# Altium PCB CSUEAF4.PcbDoc (part 1 of 2) (continued)
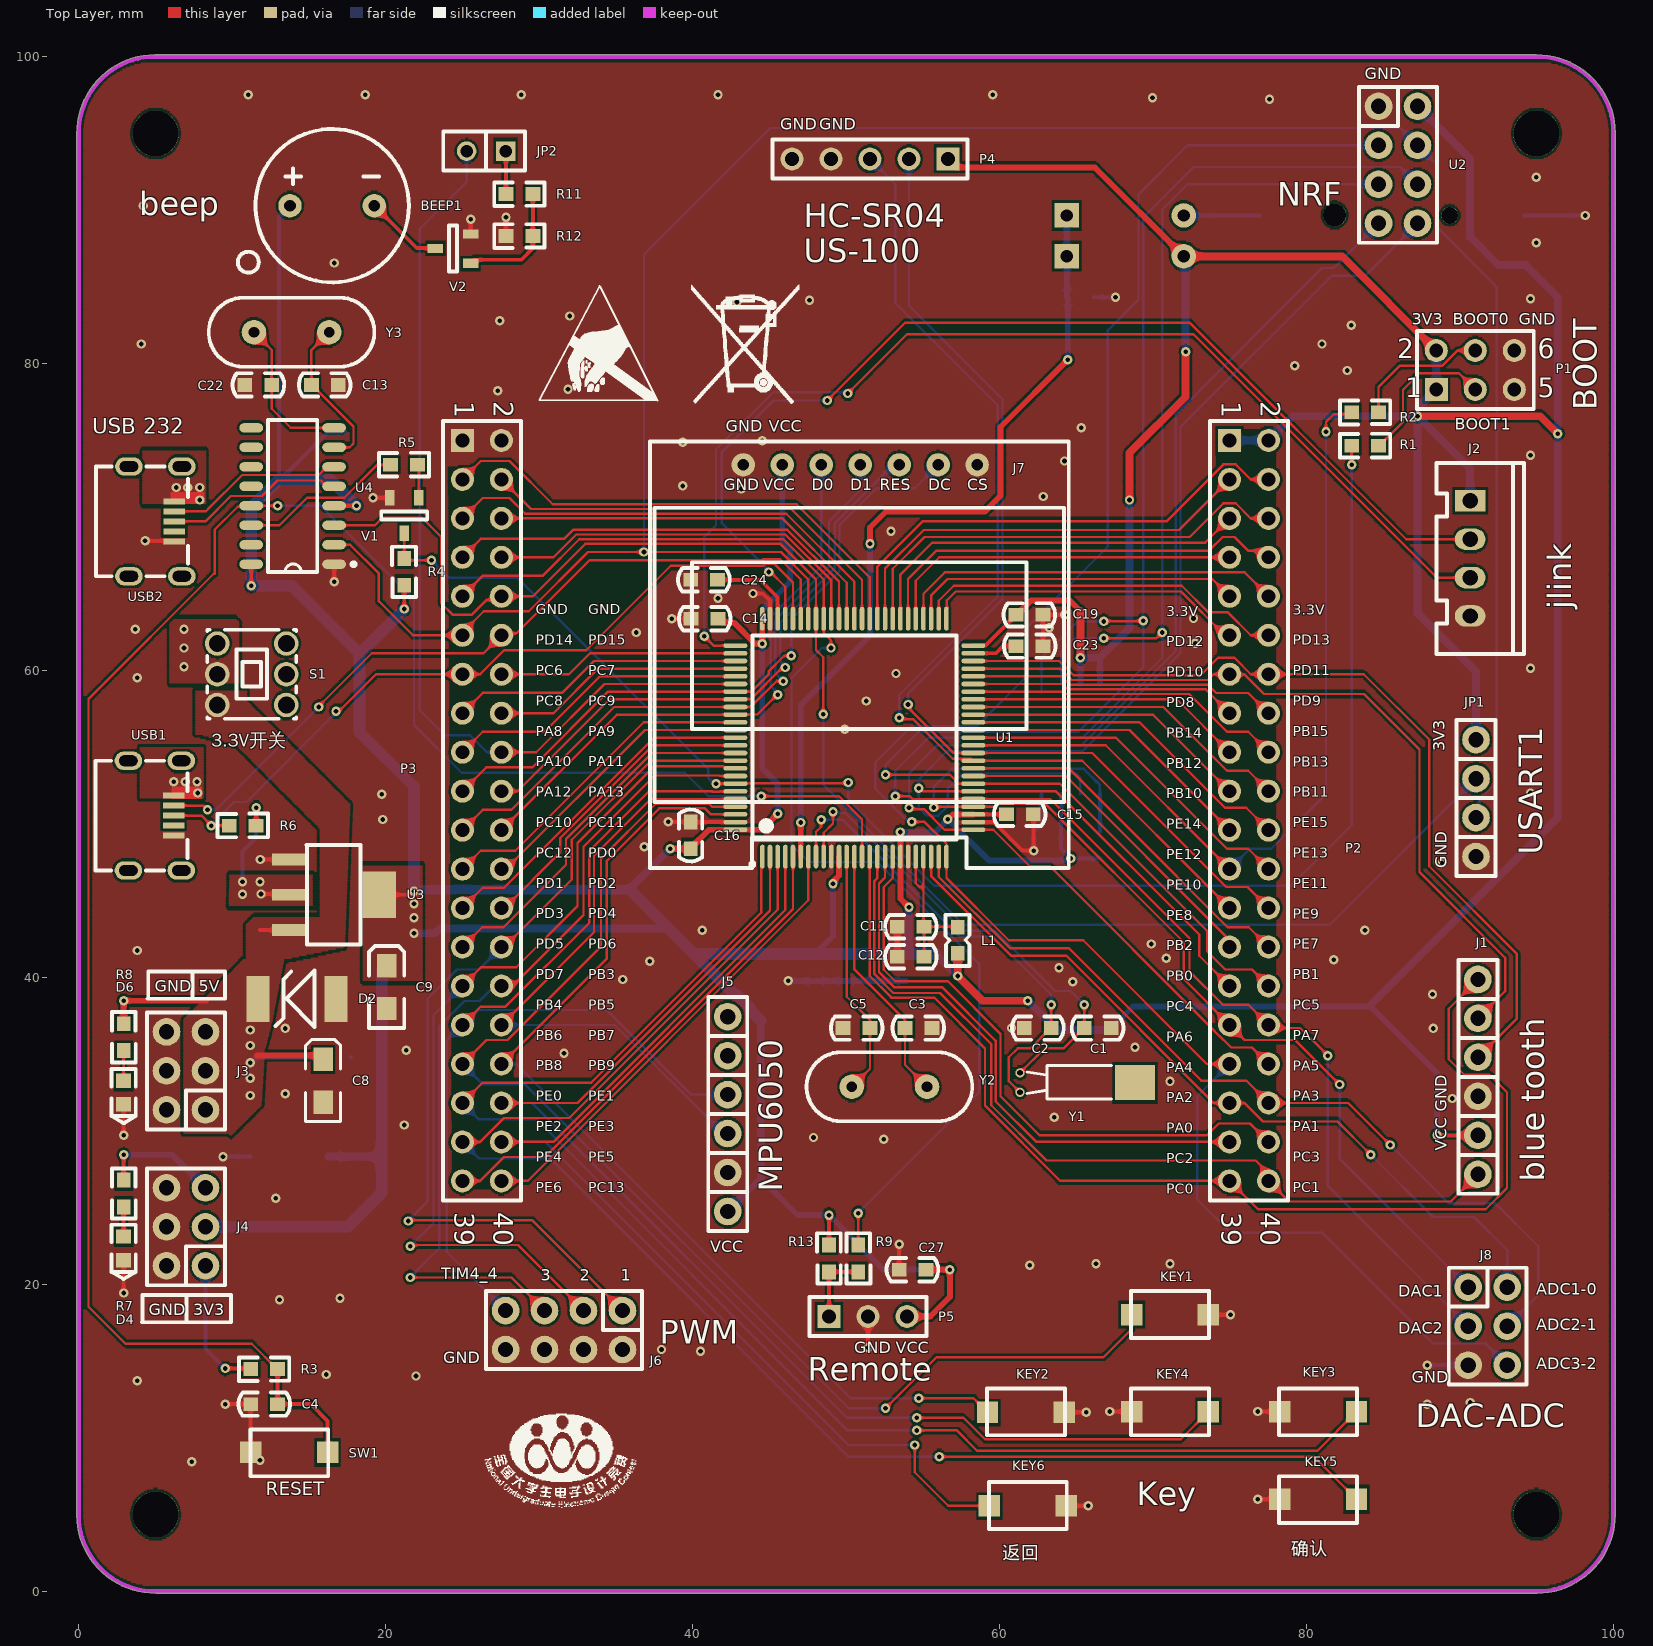
[diagram p0: Top Layer view]
## Components (designator, comment, footprint, x,y, rotation, side; value= is the part's Value field where it differs from the comment) (continued)
U3 "AMS1117-3V3" SOT223 16.637,45.389 r270 top
U4 "CH340G" SOIC16 16.637,66.929 r180 top
U5 "W25Q80BL" W25Q-SO8 66.548,51.943 r90 bottom
USB1 "USB" MICRO-USB-5P4脚无定位孔 3.52,50.546 r270 top
USB2 "USB" MICRO-USB-5P4脚无定位孔 3.556,69.723 r270 top
V1 "NPN" SOT-23 21.209,70.104 r180 top
V2 "NPN" SOT-23 24.384,87.503 r90 top
Y1 "32KHz" OSC-2x6-WI-B 61.087,33.147 r270 top
Y2 "8MHz" OSC-HC-49S 52.832,32.875 r0 top
Y3 "12MHz" OSC-HC-49S 13.864,82.05 r0 top

## Footprints (in the part's own frame and the unit in brackets; to place one, negate y for a bottom-side part, rotate by r counter-clockwise, add the part's x,y. Pads: shape width x height; smd on the part's side, far side on the other; paste and mask are expansions set on the pad)
2.54XH接插件4P [mm]
  rect 1.4x2 hole 1: 1(0,0)
  oval 1.4x2 hole 1: 2(2.5,0) 3(5,0) 4(7.5,0)
  silkscreen extent -2.48,-2.2 9.98,3.5, body extent -2.5,-2.25 10,3.45, height 7
2.54排针1X4 [mm]
  round 1.8 hole 1: 1(-7.62,0) 2(-5.08,0) 3(-2.54,0) 4(0,0)
  silkscreen extent -8.89,-1.27 1.27,1.27, body extent -8.89,-1.27 1.27,1.27, height 2.5
2.54排针1X6 [mm]
  round 1.8 hole 1: 1(-7.62,0) 2(-5.08,0) 3(-2.54,0) 4(0,0) 5(2.54,0) 6(5.08,0)
  silkscreen extent -8.89,-1.27 6.35,1.27, body extent -8.89,-1.27 6.35,1.27, height 2.5
2.54排针2X3 [mm]
  round 1.8 hole 1: 1(0,0) 2(0,2.54) 3(2.54,0) 4(2.54,2.54) 5(5.08,0) 6(5.08,2.54)
  silkscreen extent -1.27,-1.27 6.35,3.81, body extent -1.27,-1.27 6.35,3.81, height 2.5
2.54排针2X4#1 [mm]
  round 1.8 hole 1: 1(0,0) 2(0,2.54) 3(2.54,0) 4(2.54,2.54) 5(5.08,0) 6(5.08,2.54) 7(7.62,0) 8(7.62,2.54)
  silkscreen extent -1.27,-1.27 8.89,3.81, body extent -1.27,-1.27 8.89,3.81, height 2.5
2.54排针2X4#2 [mm]
  round 1.8 hole 1: 1(0,0) 2(0,2.54) 3(2.54,0) 4(2.54,2.54) 5(5.08,0) 6(5.08,2.54) 7(7.62,2.54) 8(7.62,0)
  silkscreen extent -1.27,-1.27 8.89,3.81, body extent -1.27,-1.27 8.89,3.81, height 2.5
3216-ce [mil]
  rect 60x50 smd: 1(0,0) 2(-110,0)
  silkscreen extent -160,-45 50,45, body extent -122,-31 12,35, height 67
BATM [mm]
  round 1.1 hole 1.1 unplated: 0(0,3.748)
  round 1.5 hole 1.5 unplated: 0(0.025,-3.752)
  oct 2.5x6 smd: 1(0,-8.602)
  oval 2.5x6 smd: 2(0,8.598)
  silkscreen extent -7.62,-7.58 7.62,7.57
C0603 [mil]
  rect 38x35 smd: 1(0,0) 2(69,0)
  silkscreen extent -31,-30 101,30, body extent 4,-16 67,16, height 12
DO-35 [mm]
  rect 1.6x1.6 hole 0.8: 1(3.81,0)
  round 1.6 hole 0.8: 2(-3.81,0)
  silkscreen extent -2.6,-0.95 2.6,0.95, body extent -4.1,-0.89 4.07,0.91, height 1.92
HDR1X3 [mm] "Connector; Header; 3 Position"
  rect 1.5x1.5 hole 0.9: 1(0,0)
  round 1.5 hole 0.9: 2(2.54,0) 3(5.08,0)
  silkscreen extent -1.27,-1.27 6.35,1.27
HDR1X5 [mm]
  rect 1.5x1.5 hole 0.9: 1(0,0)
  round 1.5 hole 0.9: 2(2.54,0) 3(5.08,0) 4(7.62,0) 5(10.16,0)
  silkscreen extent -1.27,-1.27 11.43,1.27
HDR2X3 [mm] "Connector; Header; 3x2 Position"
  rect 1.5x1.5 hole 0.9: 1(0,0)
  round 1.5 hole 0.9: 2(0,2.54) 3(2.54,0) 4(2.54,2.54) 5(5.08,0) 6(5.08,2.54)
  silkscreen extent -1.27,-1.27 6.35,3.81
HDR2X20 [mm] "Connector; Header; 20x2 Position"
  rect 1.5x1.5 hole 0.9: 1(0,0)
  round 1.5 hole 0.9: 2(0,2.54) 3(2.54,0) 4(2.54,2.54) 5(5.08,0) 6(5.08,2.54) 7(7.62,0) 8(7.62,2.54) 9(10.16,0) 10(10.16,2.54) 11(12.7,0) 12(12.7,2.54) 13(15.24,0) 14(15.24,2.54) 15(17.78,0) 16(17.78,2.54) 17(20.32,0) 18(20.32,2.54) 19(22.86,0) 20(22.86,2.54) 21(25.4,0) 22(25.4,2.54) 23(27.94,0) 24(27.94,2.54) 25(30.48,0) 26(30.48,2.54) 27(33.02,0) 28(33.02,2.54) 29(35.56,0) 30(35.56,2.54) 31(38.1,0) 32(38.1,2.54) 33(40.64,0) 34(40.64,2.54) 35(43.18,0) 36(43.18,2.54) 37(45.72,0) 38(45.72,2.54) 39(48.26,0) 40(48.26,2.54)
  silkscreen extent -1.27,-1.27 49.53,3.81
L0603 [mil]
  rect 38x35 smd: 1(-28,0) 2(38.87,0)
  silkscreen extent -60,-31 71,30, body extent -24,-15 36,15, height 20
"LED 0603G" [mm] "绿色0603LED"
  rect 0.93x0.98 smd: A(0.77,0) K(-0.77,0)
  silkscreen extent -2,-0.79 1.53,0.79, body extent -0.8,-0.4 0.8,0.4, height 0.61
LQFP100 [mm] "100-pin low-profile quad flat"
  oval 1.55x0.3 smd: 1(-7.75,6) 2(-7.75,5.5) 3(-7.75,5) 4(-7.75,4.5) 5(-7.75,4) 6(-7.75,3.5) 7(-7.75,3) 8(-7.75,2.5) 9(-7.75,2) 10(-7.75,1.5) 11(-7.75,1) 12(-7.75,0.5) 13(-7.75,0) 14(-7.75,-0.5) 15(-7.75,-1) 16(-7.75,-1.5) 17(-7.75,-2) 18(-7.75,-2.5) 19(-7.75,-3) 20(-7.75,-3.5) 21(-7.75,-4) 22(-7.75,-4.5) 23(-7.75,-5) 24(-7.75,-5.5) 25(-7.75,-6) 51(7.75,-6) 52(7.75,-5.5) 53(7.75,-5) 54(7.75,-4.5) 55(7.75,-4) 56(7.75,-3.5) 57(7.75,-3) 58(7.75,-2.5) 59(7.75,-2) 60(7.75,-1.5) 61(7.75,-1) 62(7.75,-0.5) 63(7.75,0) 64(7.75,0.5) 65(7.75,1) 66(7.75,1.5) 67(7.75,2) 68(7.75,2.5) 69(7.75,3) 70(7.75,3.5) 71(7.75,4) 72(7.75,4.5) 73(7.75,5) 74(7.75,5.5) 75(7.75,6)
  oval 0.3x1.55 smd: 26(-6,-7.75) 27(-5.5,-7.75) 28(-5,-7.75) 29(-4.5,-7.75) 30(-4,-7.75) 31(-3.5,-7.75) 32(-3,-7.75) 33(-2.5,-7.75) 34(-2,-7.75) 35(-1.5,-7.75) 36(-1,-7.75) 37(-0.5,-7.75) 38(0,-7.75) 39(0.5,-7.75) 40(1,-7.75) 41(1.5,-7.75) 42(2,-7.75) 43(2.5,-7.75) 44(3,-7.75) 45(3.5,-7.75) 46(4,-7.75) 47(4.5,-7.75) 48(5,-7.75) 49(5.5,-7.75) 50(6,-7.75) 76(6,7.75) 77(5.5,7.75) 78(5,7.75) 79(4.5,7.75) 80(4,7.75) 81(3.5,7.75) 82(3,7.75) 83(2.5,7.75) 84(2,7.75) 85(1.5,7.75) 86(1,7.75) 87(0.5,7.75) 88(0,7.75) 89(-0.5,7.75) 90(-1,7.75) 91(-1.5,7.75) 92(-2,7.75) 93(-2.5,7.75) 94(-3,7.75) 95(-3.5,7.75) 96(-4,7.75) 97(-4.5,7.75) 98(-5,7.75) 99(-5.5,7.75) 100(-6,7.75)
  silkscreen extent -8.37,-6.65 6.65,6.77, body extent -8,-8 8,8, height 1.6
MICRO-USB-5P4脚无定位孔 [mm]
  rect 0.4x1.4 smd: 1(-1.3,2.66) 2(-0.65,2.66) 3(0,2.66) 4(0.65,2.66) 5(1.3,2.66)
  oval 1.2x1.8 hole 0.7 slot 1.2 at 90 deg: 6(-3.575,3.16) 6(-3.575,-0.29) 6(3.575,3.16) 6(3.575,-0.29)
  silkscreen extent -3.57,-2.44 3.57,3.57
"OLED 0.96-SPI _无定位孔" [mil]
  round 60 hole 30: 1(0,0) 2(100,0) 3(200,0) 4(300,0) 5(400,0) 6(500,0) 7(600,0)
  silkscreen extent -240,-1034 835,60, body extent -228,-1036 824,61, height 334
OSC-2x6-WI-B [mm] "脚距：1.6mm"
  round 0.6 hole 0.36: 1(0.635,0.254) 2(-0.635,0.254)
  rect 2.3x2.6 smd: 3(0,7.747)
  silkscreen extent -1.1,0.7 1.07,6.2, body extent -1,0.1 1,8.25, height 2.05
OSC-HC-49S [mm]
  round 1.6 hole 0.7: 1(-2.45,0) 2(2.45,0)
  silkscreen extent -5.39,-2.25 5.39,2.25, body extent -5.39,-2.27 5.41,2.23, height 3.6
R0603 [mil] "1/10W"
  rect 38x35 smd: 1(0,0) 2(69,0)
  silkscreen extent -30,-31 99,30, body extent 4,-16 66,16, height 18
SIP2 [mil]
  rect 50x50 hole 32: 1(0,0)
  round 50 hole 32: 2(100,0)
  silkscreen extent -50,-50 160,50
SMBJ [mm]
  rect 1.5x3 smd: 1(-2.413,0) 2(2.667,0)
  silkscreen extent -1.02,-1.85 1.52,1.83
SOIC16 [mm] "SOIC16-39MM"
  oval 1.55x0.6 smd: 1(0,0) 2(0,-1.27) 3(0,-2.54) 4(0,-3.81) 5(0,-5.08) 6(0,-6.35) 7(0,-7.62) 8(0,-8.89) 9(5.4,-8.89) 10(5.4,-7.62) 11(5.4,-6.35) 12(5.4,-5.08) 13(5.4,-3.81) 14(5.4,-2.54) 15(5.4,-1.27) 16(5.4,0)
  silkscreen extent -1.39,-9.4 4.3,0.51
SOT223 [mm]
  rect 0.76x2.2 smd: 1(-2.3,-2.95) 2(0,-2.95) 3(2.3,-2.95)
  rect 3x2.2 smd: 2(0,2.95)
  silkscreen extent -3.25,-1.8 3.26,1.73, body extent -3.25,-3.5 3.25,3.5, height 1.69
SOT-23 [mm] "SOT-23-3"
  rect 0.6x1 smd: 1(-0.95,-1.15) 2(0.95,-1.15) 3(0,1.15)
  silkscreen extent -1.5,-0.27 1.5,0.27, body extent -1.46,-1.28 1.46,1.27, height 0.99
W25Q-SO8 [mm]
  oval 1.8x0.6 smd: 1(0,0) 2(0,-1.27) 3(0,-2.54) 4(0,-3.81) 5(7.2,-3.81) 6(7.2,-2.54) 7(7.2,-1.27) 8(7.2,0)
  silkscreen extent 1.69,-4.44 5.4,0.63, body extent -0.45,-4.63 7.65,0.83, height 1.75
按键微动开关2 [mm]
  rect 1.4x1.4 smd: 1(-2.5,-0.024) 2(2.5,-0.024)
  silkscreen extent -2.54,-1.52 2.54,1.52, body extent -2.5,-1.52 2.5,1.48, height 2.1
自锁开关 [mm] "PB12E06371， GANGYUAN(港源)"
  round 1.6 hole 1.1: 1(-2,-2.214) 2(0,-2.214) 3(2,-2.214) 4(-2,2.286) 5(0,2.286) 6(2,2.286)
  silkscreen extent -2.9,-2.86 2.9,2.94
蜂鸣器0905 [mil]
  round 60 hole 30: 1(-108.27,0) 2(108.27,0)
  silkscreen extent -242,-197 197,197

## Part data
BAT?: library part BAT
C1 C2 C3 C4 C5 C6 C7 C10 C11 C12 C13 C14 C15 C16 C18 C19 C20 C21 C22 C23 C24 C25 C26 C27: library part 电容, "Capacitor", LatestRevisionDate=17-Jul-2002, LatestRevisionNote="Re-released for DXP Platform.", PackageDescription="Radial Cap, Thru-Hole; 2 Leads; 0.3 in Pin Spacing", PackageReference=RAD-0.3, Published=8-Jun-2000, Publisher="Altium Limited"
C8 C9: library part 电解电容, "Polarized Capacitor (Axial)", LatestRevisionDate=17-Jul-2002, LatestRevisionNote="Re-released for DXP Platform.", PackageDescription="Polarized Capacitor; 2 Leads", PackageReference=POLAR0.8, Published=8-Jun-2000, Publisher="Altium Limited"
C17: "Capacitor", LatestRevisionDate=17-Jul-2002, LatestRevisionNote="Re-released for DXP Platform.", PackageDescription="Radial Cap, Thru-Hole; 2 Leads; 0.3 in Pin Spacing", PackageReference=RAD-0.3, Published=8-Jun-2000, Publisher="Altium Limited"
D1 D2: library part SMBJ, "TVS"
D3 D5: "开关二极管"
J6: library part PIN-8
J7: library part OLED_SPI
J8: library part PIN-6
JP2: "Connector"
KEY1 KEY2 KEY3 KEY4 KEY5 KEY6 SW1: library part Switch, "Single-Pole, Single-Throw Switch"
L1: library part 磁珠
P1: "Header, 3-Pin, Dual row", LatestRevisionDate=17-Jul-2002, LatestRevisionNote="Re-released for DXP Platform.", Publisher="Altium Limited"
P2 P3: "Header, 20-Pin, Dual row", LatestRevisionDate=17-Jul-2002, LatestRevisionNote="Re-released for DXP Platform.", Publisher="Altium Limited"
P4: "超声波测距模块"
P5: library part "Header 3", "Header, 3-Pin", LatestRevisionDate=17-Jul-2002, LatestRevisionNote="Re-released for DXP Platform.", Publisher="Altium Limited"
R1 R2 R3 R4 R5 R6 R7 R8 R9 R10 R11 R12 R13: library part 电阻, "Resistor", LatestRevisionDate=17-Jul-2002, LatestRevisionNote="Re-released for DXP Platform.", PackageDescription="Axial Device, Thru-Hole; 2 Leads; 0.3 in Pin Spacing", PackageReference=AXIAL-0.3, Published=8-Jun-2000, Publisher="Altium Limited"
S1: "自锁开关"
U1: BOM_LCSC Assembly=Yes, BOM_Manufacturer=STMicroelectronics, BOM_Manufacturer Part=STM32F407VET6, BOM_Supplier=LCSC, BOM_Supplier Part=C28730, image=//image.lceda.cn/szlcsc/C28730.jpg, SMT Type=Basic, spicePre=U
U2: "NRF24L01模块排母"
U3: library part 三端稳压, "三端稳压芯片", BOM名称=ÎÈÑ, 学习资源=www.ooocke.
V1 V2: "NPN Bipolar Transistor", Code_JEDEC=TO-226-AA, LatestRevisionDate=17-Jul-2002, LatestRevisionNote="Re-released for DXP Platform.", PackageDescription="TO, Flat Index; 3 In-Line, Axial Leads; Body Dia. 4.8mm; Leads 0.55 x 0.51 mm (max)", PackageReference=TO-226-AA, Published=8-Jun-2000, Publisher="Altium Limited"
Y1 Y2 Y3: library part XTAL, "Crystal Oscillator", LatestRevisionDate=17-Jul-2002, LatestRevisionNote="Re-released for DXP Platform.", PackageDescription="Crystal, Thru-Hole; 2 Leads; Body 3.1 x 8.2 mm (Dia.xH)", PackageReference=R38, Published=8-Jun-2000, Publisher="Altium Limited"

## Free pads (board coordinates)
  round 3 hole 3 unplated: 1(5,95) 2(95,95) 3(95,5) 4(5,5)

## Via types
v1: diameter 0.61, hole 0.305, Top Layer to Bottom Layer, tented both sides, 218 vias

## Nets (pads, with @x,y where several pads share a name; then routed paths per layer and width w, separated by ;. In a path a pad name is that pad's centre, name@x,y a point inside that pad or via, vN(x,y) a via of type N, cw(c..) or ccw(c..) an arc to the next point about the centre after c; other vN are vias at no path point)
3V3: BEEP1.1 C7.2 C9.1 C10.1 C14.2 C15.2 C16.2 C17.2 C18.2 C19.2 C20.2 C21.2 C26.1 C27.1 D1.2 D5.2 J1.2 J2.1 J4.1 J4.3 J4.5 J5.6 J7.2 JP1.1 L1.2 P1.1 P1.2 P2.1 P2.2 P4.1 P5.3 R3.1 R4.2 R6.1 R7.2 R10.2 R13.1 U1.11 U1.19 U1.28 U1.50 U1.75 U1.100 U2.2 U3.2 U4.4 U4.16 U5.3 U5.7 U5.8 | length 558.4
  Top Layer w0.254: R7.2@2.921,26.797 v1(2.921,28.448) ; v1(9.54,14.518) 10.907,14.518 11.074,14.351 R3.1@11.201,14.478 ; v1(11.237,65.532) U4.16@11.237,66.929 ; R6.1@11.557,49.896 v1(11.557,51.054) ; v1(11.874,45.438) 13.638,45.438 U3.2@13.687,45.389 ; U4.4@16.637,70.739 v1(18.095,70.739) ; U3.2@19.587,45.389 22.098,45.389 ; v1(21.209,64.008) R4.2@21.209,65.557 ; C16.2@39.872,48.387 C16.2@39.872,48.425 ; C14.2@41.656,63.373 C14.2@41.694,63.373 ; U1.75@44.546,63.376 U1.75@44.546,63.92 ; R13.1@48.895,22.565 v1(48.895,24.511) ; U1.28@58.296,50.626 C15.2@60.452,50.626 ; U1.50@58.296,61.626 59.086,61.626 C19.2@61.087,63.627 ; v1(88.519,29.71) J1.2@91.186,29.71
  Top Layer w0.381: v1(38.537,48.387) C16.2@39.872,48.387 ; C16.2@39.872,48.425 41.073,49.626 U1.100@42.796,49.626 44.499,49.626 v1(45.546,50.673) ; C14.2@41.656,63.373 41.91,63.119 42.71,63.119 44.076,61.753 v1(44.546,61.753) U1.75@44.546,63.376 ; v1(49.149,46.101) 49.149,46.24 49.546,46.637 U1.11@49.546,47.876 ; v1(53.546,49.482) U1.19@53.546,47.876 53.553,47.869 53.553,45.126 v1(54.102,44.577) ; P5.3@53.975,17.907 55.499,17.907 56.769,19.177 v1(56.769,20.955) C27.1@55.22,20.955 ; v1(56.642,50.3) 56.961,50.619 58.289,50.619 U1.28@58.296,50.626 ; P4.1@56.642,93.345 57.201,92.786 66.218,92.786 D5.2@72.009,86.995 ; C19.2@61.087,63.627 61.125,63.627 62.071,64.572 64.587,64.572 65.278,63.881
  Top Layer w0.508: L1.2@57.277,41.572 v1(57.277,40.097) 58.893,38.481 v1(61.849,38.481) ; v1(65.278,60.833) 65.278,63.881 ; v1(68.474,71.12) 68.474,74.189 72.136,77.851 v1(72.136,80.772) ; D5.2@72.009,86.995 82.334,86.995 P1.2@88.475,80.855 ; v1(87.249,76.581) 95.25,76.581 v1(96.393,75.438)
  Bottom Layer w0.254: J4.1@8.255,21.209 8.255,15.803 v1(9.54,14.518) ; v1(10.668,46.228) 10.668,48.196 11.557,49.085 v1(11.557,51.054) ; 13.049,72.771 13.049,89.586 BEEP1.1@13.76,90.297 ; 13.151,72.46 16.218,75.527 17.399,75.527 C10.1@17.399,75.565 ; C7.2@19.736,40.45 20.053,40.767 C7.2@20.091,40.767 ; J5.6@42.457,24.579 J5.6@42.291,24.745 42.545,24.745 J5.6@42.545,24.999 ; U5.3@64.008,51.943 C26.1@64.008,49.53 64.008,48.387 v1(64.643,47.752) R10.2@66.548,47.752
  Bottom Layer w0.381: v1(2.921,28.448) 6.096,28.448 J4.5@8.255,26.289 ; J5.6@42.545,24.999 44.45,26.904 46.843,24.511 v1(48.895,24.511) 52.451,20.955 v1(56.769,20.955) ; v1(45.546,50.673) 45.546,52.625 44.546,53.625 v1(44.546,61.753) 44.546,63.965 46.355,65.774 46.355,67.805 45.847,68.313 J7.2@45.847,73.406 ; C18.2@48.017,41.529 48.017,41.567 49.149,42.699 v1(49.149,46.101) 49.211,46.101 v1@49.338,46.228 ; v1(53.546,49.482) 55.824,49.482 v1(56.642,50.3) 59.33,47.612 64.441,47.612 64.581,47.752 v1(64.643,47.752) ; U5.7@65.278,59.143 v1(65.278,60.833) ; U5.8@66.548,59.143 66.548,60.833 ; 67.183,36.576 68.707,38.1 84.074,38.1 ; 84.138,38.163 88.519,33.782 v1(88.519,29.71)
  Bottom Layer w0.508: D1.2@16.256,28.321 19.736,28.321 19.812,28.321 ; v1(21.844,42.875) 23.216,42.875 23.52,43.18 38.451,43.18 ; 35.743,45.72 35.827,45.804 35.89,45.74 ; 35.807,45.657 35.89,45.74 ; v1(38.537,48.387) 35.89,45.74 ; 44.45,26.904 44.45,37.181 ; C21.2@53.919,41.529 54.083,41.692 54.083,44.558 v1(54.102,44.577) ; 55.845,41.529 v1(57.277,40.097) ; v1(61.849,38.481) 63.754,36.576 67.183,36.576 ; v1(65.278,60.833) 66.548,60.833 68.474,62.759 v1(68.474,71.12) ; D5.2@72.009,86.995 72.136,86.868 72.009,86.741 72.136,86.614 v1(72.136,80.772) ; P2.1@75,75 P2.2@77.54,75 79.121,76.581 v1(87.249,76.581) ; 84.138,38.163 96.393,50.419 v1(96.393,75.438) 96.393,84.328 94.298,86.423 92.52,86.423 90.678,88.265 90.678,93.345 U2.2@87.249,96.774 ; P1.2@88.475,80.855 P1.1@88.475,78.315 87.268,77.108 87.268,76.6 v1(87.249,76.581) ; J2.1@90.678,71.057 90.378,71.057 90.678,71.357 90.678,73.152 v1(87.249,76.581) ; JP1.1@91.059,55.499 91.059,59.944 87.249,63.754 v1(87.249,76.581)
  Bottom Layer w0.635: v1(21.844,45.618) 22.047,45.618 22.149,45.72 24.475,45.72 24.495,45.74 25.505,45.74 25.525,45.72 27.015,45.72 27.035,45.74 28.045,45.74 28.065,45.72 35.743,45.72
  Bottom Layer w0.762: J4.3@8.255,23.749 17.526,23.749 19.736,25.959 19.736,28.321 C7.2@19.736,40.45 ; 13.049,72.46 11.237,70.648 v1(11.237,65.532) 13.87,65.532 16.985,62.417 18.301,61.1 v1(21.209,64.008) ; 13.151,72.46 16.374,72.46 v1(18.095,70.739) ; 18.288,60.858 18.288,55.999 21.844,52.443 v1(21.844,45.618) ; 35.89,45.74 38.451,43.18 42.752,38.879 42.885,38.879 43.724,38.039 43.724,37.906 44.45,37.181 ; 40.132,41.529 C18.2@48.017,41.529 C20.2@49.953,41.529 C17.2@51.905,41.529 C21.2@53.919,41.529 55.845,41.529
  other v1: 21.844,43.891 21.844,44.806 10.668,45.415 11.811,46.228
5V: C6.2 C8.1 D2.2 J3.1 J3.3 J3.5 R8.2 S1.3 U3.3 | length 18.1
  Top Layer w0.254: 11.811,43.103 11.825,43.089 U3.3@13.687,43.089
  Top Layer w0.381: R8.2@2.921,36.982 v1(2.921,38.481) 8.278,38.481 8.304,38.506 ; 11.592,34.916 15.679,34.916 C8.1@15.924,34.671
  Bottom Layer w0.381: v1(11.176,34.442) 11.238,34.442 11.593,34.798 C6.2@15.949,34.798
  other v1: 11.176,32.309 11.176,33.426 11.176,35.56 11.176,36.576
ADC1_CH0: J8.2 P2.35 U1.23 | length 51.3
  Top Layer w0.152: U1.23@55.546,47.876 55.546,46.62 60.751,41.415 64.365,41.415 73.96,31.82 P2.35@75,31.82 75.969,31.82 77.182,30.607 82.042,30.607 v1(84.201,28.448)
  Bottom Layer w0.152: v1(84.201,28.448) 88.265,24.384 90.932,24.384 93.091,22.225 J8.2@93.091,19.812
ADC2_CH1: J8.4 P2.36 U1.24 | length 56.4
  Top Layer w0.152: U1.24@56.046,47.876 56.046,46.551 60.687,41.91 64.516,41.91 73.152,33.274 76.086,33.274 P2.36@77.54,31.82 82.734,31.82 v1(85.471,29.083)
  Bottom Layer w0.152: v1(85.471,29.083) 89.281,25.273 92.329,25.273 95.123,22.479 95.123,19.304 J8.4@93.091,17.272
ADC3_CH2: J8.6 P2.33 U1.25 U2.3 | length 131.5
  Top Layer w0.152: v1(54.286,50.14) 55.118,50.14 56.546,48.712 U1.25@56.546,47.876 56.546,46.482 60.61,42.418 65.458,42.418 73.516,34.36 P2.33@75,34.36
  Bottom Layer w0.152: v1(54.286,50.14) 54.077,50.14 51.905,52.311 51.905,54.007 54.286,56.388 58.547,56.388 61.849,59.69 61.849,62.865 67.056,68.072 67.056,82.169 69.063,84.176 69.063,91.034 72.263,94.234 U2.3@84.709,94.234 ; P2.33@75,34.36 72.898,32.258 72.898,25.527 75.057,23.368 81.026,23.368 88.251,16.143 91.68,16.143 J8.6@93.091,14.732
BEEP: JP2.2 P3.18 U1.81 | length 61.3
  Top Layer w0.152: P3.18@27.54,54.68 29.812,54.68 34.258,59.126 U1.81@42.796,59.126
  Bottom Layer w0.152: JP2.2@25.273,93.853 25.273,91.84 22.225,88.792 22.225,57.404 23.839,55.79 25.49,55.79 26.6,54.68 P3.18@27.54,54.68
BOOT0: R1.2 R4.1 U1.94 V1.3 | length 101.1
  Top Layer w0.152: R4.1@21.082,67.437 R4.1@21.209,67.31 ; V1.3@21.209,68.954 R4.1@21.209,67.31 ; v1(22.987,67.19) 21.329,67.19 R4.1@21.209,67.31 ; v1(41.529,52.626) U1.94@42.796,52.626 42.824,52.654 50.101,52.654 v1(50.152,52.705) ; v1(82.956,73.406) R1.2@82.956,74.646
  Bottom Layer w0.152: v1(22.987,67.19) 24.12,66.057 28.558,66.057 41.021,53.594 41.021,52.997 41.313,52.705 v1@41.529,52.705 ; v1(50.152,52.705) 50.152,51.556 55.734,45.974 78.994,45.974 82.956,49.936 82.956,74.676
BOOT1: P2.23 R2.1 U1.37 | length 54.5
  Top Layer w0.152: U1.37@58.296,55.126 66.934,55.126 P2.23@75,47.06 ; v1(81.28,75.565) 81.28,76.2 81.788,76.708 82.829,76.708 R2.1@82.956,76.835
  Bottom Layer w0.152: P2.23@75,47.06 76.327,48.387 77.711,48.387 81.28,51.956 v1(81.28,75.565)
CH340_RESET: C4.2 R3.2 SW1.1 U1.14 U4.13 | length 134.6
  Top Layer w0.152: 8.794,66.31 0.635,58.151 0.635,18.542 3.048,16.129 11.265,16.129 12.916,14.478 R3.2@12.954,14.478 ; 8.85,66.31 8.85,69.175 10.353,70.678 11.176,70.678 U4.13@11.237,70.739 v1(12.954,70.739) ; v1(44.478,51.816) 49.53,51.816 51.046,50.3 U1.14@51.046,47.876
  Top Layer w0.254: R3.2@12.954,14.478 C4.2@12.954,12.192 15.113,12.192 16.216,11.089 SW1.1@16.216,9.041
  Bottom Layer w0.152: v1(12.954,70.739) 15.748,70.739 21.844,64.643 21.844,56.452 24.956,53.34 39.497,53.34 41.021,51.816 v1(44.478,51.816)
CH340_RXD: JP1.2 P3.10 U1.68 U4.3 | length 103.5
  Top Layer w0.152: U4.3@16.637,69.469 19.304,69.469 19.812,69.977 22.352,69.977 23.622,68.707 23.622,64.389 24.384,63.627 25.586,63.627 26.561,64.603 27.303,64.603 P3.10@27.54,64.84 29.591,64.84 33.007,68.256 45.726,68.256 48.046,65.937 U1.68@48.046,63.376 48.046,61.341 48.514,60.873 v1(48.514,57.15)
  Bottom Layer w0.152: v1(48.514,57.15) 48.514,52.578 57.658,43.434 81.534,43.434 JP1.2@91.059,52.959
CH340_TXD: JP1.3 P3.11 U1.69 U2.4 U4.2 | length 160.3
  Top Layer w0.152: U4.2@16.637,68.199 17.682,68.199 19.558,66.323 19.558,64.516 21.774,62.3 P3.11@25,62.3 25,62.465 26.396,63.861 29.317,63.861 33.179,67.723 v1(36.83,67.723) 45.758,67.723 47.546,65.935 U1.69@47.546,63.376
  Bottom Layer w0.152: v1(36.83,67.723) 36.83,87.122 45.071,95.363 86.12,95.363 U2.4@87.249,94.234 88.519,92.964 88.519,88.9 92.418,85.001 92.418,52.722 91.244,51.548 91.244,50.985 91.059,50.8 JP1.3@91.059,50.419
CH340_XI: C13.2 U4.7 Y3.2 | length 10.3
  Top Layer w0.152: Y3.2@16.314,82.05 15.159,80.895 C13.2@15.159,78.613 15.197,78.613 17.907,75.903 17.907,74.803 17.653,74.549 U4.7@16.637,74.549
CH340_XO: C22.2 U4.8 Y3.1 | length 10
  Top Layer w0.152: Y3.1@11.414,82.05 12.568,80.895 C22.2@12.568,78.613 12.573,78.608 12.573,77.06 13.814,75.819 U4.8@16.637,75.819
D0: J7.3 P3.22 U1.85 | length 38.2
  Top Layer w0.152: P3.22@27.54,49.6 35.066,57.126 U1.85@42.796,57.126 42.806,57.136 44.212,57.136 45.495,58.42 v1(45.546,58.42)
  Bottom Layer w0.152: v1(45.546,58.42) 45.546,58.546 45.085,59.007 45.085,63.5 48.387,66.802 J7.3@48.387,73.406
D1: J7.4 P3.21 U1.84 | length 41.6
  Top Layer w0.152: P3.21@25,49.6 26.321,50.921 28.188,50.921 34.893,57.626 U1.84@42.796,57.626 43.783,57.626 45.466,59.309 v1(45.919,59.309)
  Bottom Layer w0.152: v1(45.919,59.309) 45.917,59.309 45.39,59.836 45.39,63.297 48.895,66.802 48.895,69.723 50.927,71.755 J7.4@50.927,73.406
DAC1_OUT: J8.1 P2.31 R10.1 U1.29 U5.1 | length 68.3
  Top Layer w0.152: v1(55.728,51.079) 55.774,51.126 U1.29@58.296,51.126 59.702,51.126 59.875,51.299 63.009,51.299 72.009,42.299 72.009,39.891 P2.31@75,36.9 75.979,35.921 79.268,35.921 v1(82.169,33.02)
  Bottom Layer w0.152: v1(55.728,51.079) 55.728,52.426 56.896,53.594 65.497,53.594 66.548,52.543 U5.1@66.548,51.943 ; v1(82.169,33.02) 82.169,28.194 J8.1@90.551,19.812
  Bottom Layer w0.254: R10.1@66.548,49.505 U5.1@66.548,51.943
DAC2_OUT: J8.3 P2.32 U1.30 U2.5 U5.6 | length 133.4
  Top Layer w0.152: v1(53.213,51.816) 54.154,51.816 54.344,51.626 U1.30@58.296,51.626 63.309,51.626 72.386,42.549 72.386,40.39 74.549,38.227 76.213,38.227 P2.32@77.54,36.9 77.737,36.703 79.609,36.703 v1(81.407,34.905) ; v1(66.802,62.103) 70.231,62.103 v1(70.612,62.484)
  Bottom Layer w0.152: v1(53.213,51.816) 53.213,53.467 55.372,55.626 65.405,55.626 70.612,60.833 v1(70.612,62.484) 70.612,90.043 72.263,91.694 84.201,91.694 84.455,91.948 U2.5@84.709,91.694 ; U5.6@64.008,59.143 64.008,61.214 64.897,62.103 v1(66.802,62.103) ; v1(81.407,34.905) 81.407,26.416 J8.3@90.551,17.272
DC: J7.6 P3.19 U1.82 | length 43.1
  Top Layer w0.152: P3.19@25,52.14 26.561,53.701 29.571,53.701 34.496,58.626 U1.82@42.796,58.626 43.844,58.626 44.958,59.74 44.958,59.944 45.974,60.96 v1(46.437,60.96)
  Bottom Layer w0.152: v1(46.437,60.96) 46.437,63.328 49.581,66.472 49.581,69.478 51.985,71.882 54.483,71.882 J7.6@56.007,73.406
Echo: P2.25 P4.3 U1.35 | length 69.2
  Top Layer w0.152: v1(53.467,56.921) 53.552,56.836 54.366,56.836 56.955,54.247 58.175,54.247 U1.35@58.296,54.126 65.394,54.126 P2.25@75,44.52
  Bottom Layer w0.152: P4.3@51.562,93.345 53.213,91.694 53.213,83.947 59.893,77.267 59.893,64.846 53.467,58.42 v1(53.467,56.921)
GND: BAT?.2 C1.1 C2.1 C3.1 C4.1 C5.1 C6.1 C7.1 C8.2 C9.2 C10.2 C11.1 C12.1 C13.1 C14.1 C15.1 C16.1 C17.1 C18.1 C19.1 C20.1 C21.1 C22.1 C23.2 C24.2 C25.1 C26.2 C27.2 D1.1 D2.1 D4.K D6.K J1.3 J2.4 J3.2 J3.4 J3.6 J4.2 J4.4 J4.6 J5.5 J6.2 J6.4 J6.6 J6.8 J7.1 J7.7 J8.5 JP1.4 KEY1.2 KEY2.2 KEY3.2 KEY4.2 KEY5.2 KEY6.2 P1.5 P1.6 P3.1 P3.2 P4.4 P4.5 P5.2 R12.1 SW1.2 U1.10 U1.20 U1.27 U1.74 U1.99 U2.1 U3.1 U4.1 U5.4 USB1.5 USB2.5 V1.2 V2.2 | length 74.1
  Top Layer w0.254: v1(2.921,19.431) D4.K@2.921,21.574 ; v1(2.921,29.718) D6.K@2.921,31.734 ; v1(4.318,68.453) 6.246,68.453 USB2.5@6.216,68.423 ; v1(9.54,12.192) C4.1@11.201,12.192 11.201,9.232 11.113,9.144 SW1.2@11.216,9.041 ; v1@11.811,47.675 v1(11.825,47.688) U3.1@13.687,47.688 ; v1(16.637,65.786) U4.1@16.637,66.929 ; v1(19.177,71.254) V1.2@20.259,71.254 ; V2.2@25.534,88.453 v1(25.534,89.408) ; R12.1@27.838,88.326 v1(27.838,89.535) ; v1(38.41,50.14) C16.1@39.872,50.14 39.886,50.126 U1.99@42.796,50.126 ; v1(38.639,63.373) C14.1@39.903,63.373 39.891,63.386 39.891,65.392 39.878,65.405 ; v1(43.942,65.024) 44.577,65.024 45.046,64.555 U1.74@45.046,63.376 ; v1(51.435,15.875) P5.2@51.435,17.907 ; C27.2@53.467,20.955 v1(53.467,22.606) ; U1.27@58.296,50.126 59.602,50.126 61.468,48.26 v1(62.23,48.26) 62.23,50.601 C15.1@62.205,50.626 C15.1@62.205,50.8 ; C23.2@62.84,61.595 C19.1@62.84,63.627 v1(64.262,63.627) ; KEY2.2@64.222,11.66 v1(65.659,11.66) ; KEY6.2@64.452,5.461 KEY6.2@64.349,5.564 v1(65.786,5.564) ; v1(67.183,11.708) KEY4.2@68.62,11.708 ; KEY1.2@73.62,18.01 v1(75.057,18.01) ; v1(76.835,5.993) KEY5.2@78.272,5.993 ; v1(76.835,11.708) KEY3.2@78.272,11.708
  Top Layer w0.381: C12.1@53.34,41.345 C11.1@53.34,43.307
  Bottom Layer w0.254: v1(9.398,28.321) D1.1@11.176,28.321 ; C6.1@17.702,34.798 C6.1@17.74,34.798 ; v1@62.255,48.387 C26.2@62.255,49.53 62.293,49.53 62.547,49.784 62.547,49.822 62.738,50.013 U5.4@62.738,51.943 ; C25.1@66.167,84.328 v1(67.564,84.328) ; v1(87.884,14.732) J8.5@90.551,14.732 J8.5@90.424,14.605 ; BAT?.2@94.196,89.662 v1(98.171,89.662)
  Bottom Layer w0.381: v1(46.228,39.776) C18.1@48.017,39.776 C20.1@49.953,39.776 C17.1@51.905,39.776 C21.1@53.919,39.776
  other v1: 7.366,8.433 11.811,8.534 87.884,12.192 90.678,12.294 3.81,13.716 21.971,14.021 16.129,14.122 40.513,15.646 37.973,15.748 13.081,18.999 17.018,19.101 61.976,21.234 66.294,21.336 71.12,21.336 12.827,25.603 52.451,29.464 47.879,29.566 21.209,30.378 63.565,30.886 89.505,32.106 13.462,32.41 71.12,33.223 31.623,35.052 21.336,35.255 68.834,35.458 13.462,36.678 88.265,36.678 60.783,36.703 88.221,38.901 64.77,39.726 35.452,39.87 63.881,40.64 37.211,41.046 81.788,41.148 70.866,41.25 3.81,41.758 69.902,42.178 40.64,43.078 83.82,43.078 88.869,47.447 36.861,48.514 19.812,50.292 19.746,51.943 94.615,52.019 49.919,56.185 51.315,58.014 3.81,59.538 53.263,59.811 94.615,60.147 72.771,61.773 36.322,62.484 3.683,62.687 63.246,62.789 72.644,63.398 41.656,64.719 52.93,69.088 62.864,71.344 43.18,71.831 39.37,72.034 64.241,73.66 94.611,74.041 39.37,74.879 44.541,74.981 65.335,75.819 27.305,78.232 31.877,78.334 82.677,79.553 79.248,79.858 4.064,81.28 81.026,81.28 82.931,82.499 27.432,82.804 32.004,83.109 42.894,84.023 47.625,84.125 94.615,84.226 16.637,86.563 94.996,87.884 4.204,90.297 94.996,92.151 77.597,97.231 69.977,97.333 11.049,97.536 18.669,97.536 28.829,97.536 41.656,97.536 59.563,97.536
I2C1_SCL: J5.3 J6.7 P3.31 U1.95 | length 67.5
  Top Layer w0.152: P3.31@25,36.9 26.2,38.1 27.813,38.1 33.274,43.561 33.274,48.26 37.14,52.126 41.275,52.126 41.308,52.093 41.75,52.093 41.783,52.126 U1.95@42.796,52.126
  Bottom Layer w0.152: J6.7@27.813,18.288 23.978,22.123 23.978,35.878 P3.31@25,36.9 25.089,36.9 26.068,37.879 34.384,37.879 39.898,32.365 J5.3@42.291,32.365